# Altium PCB VCU_LAYOUT.PcbDoc (part 1 of 3) (continued)
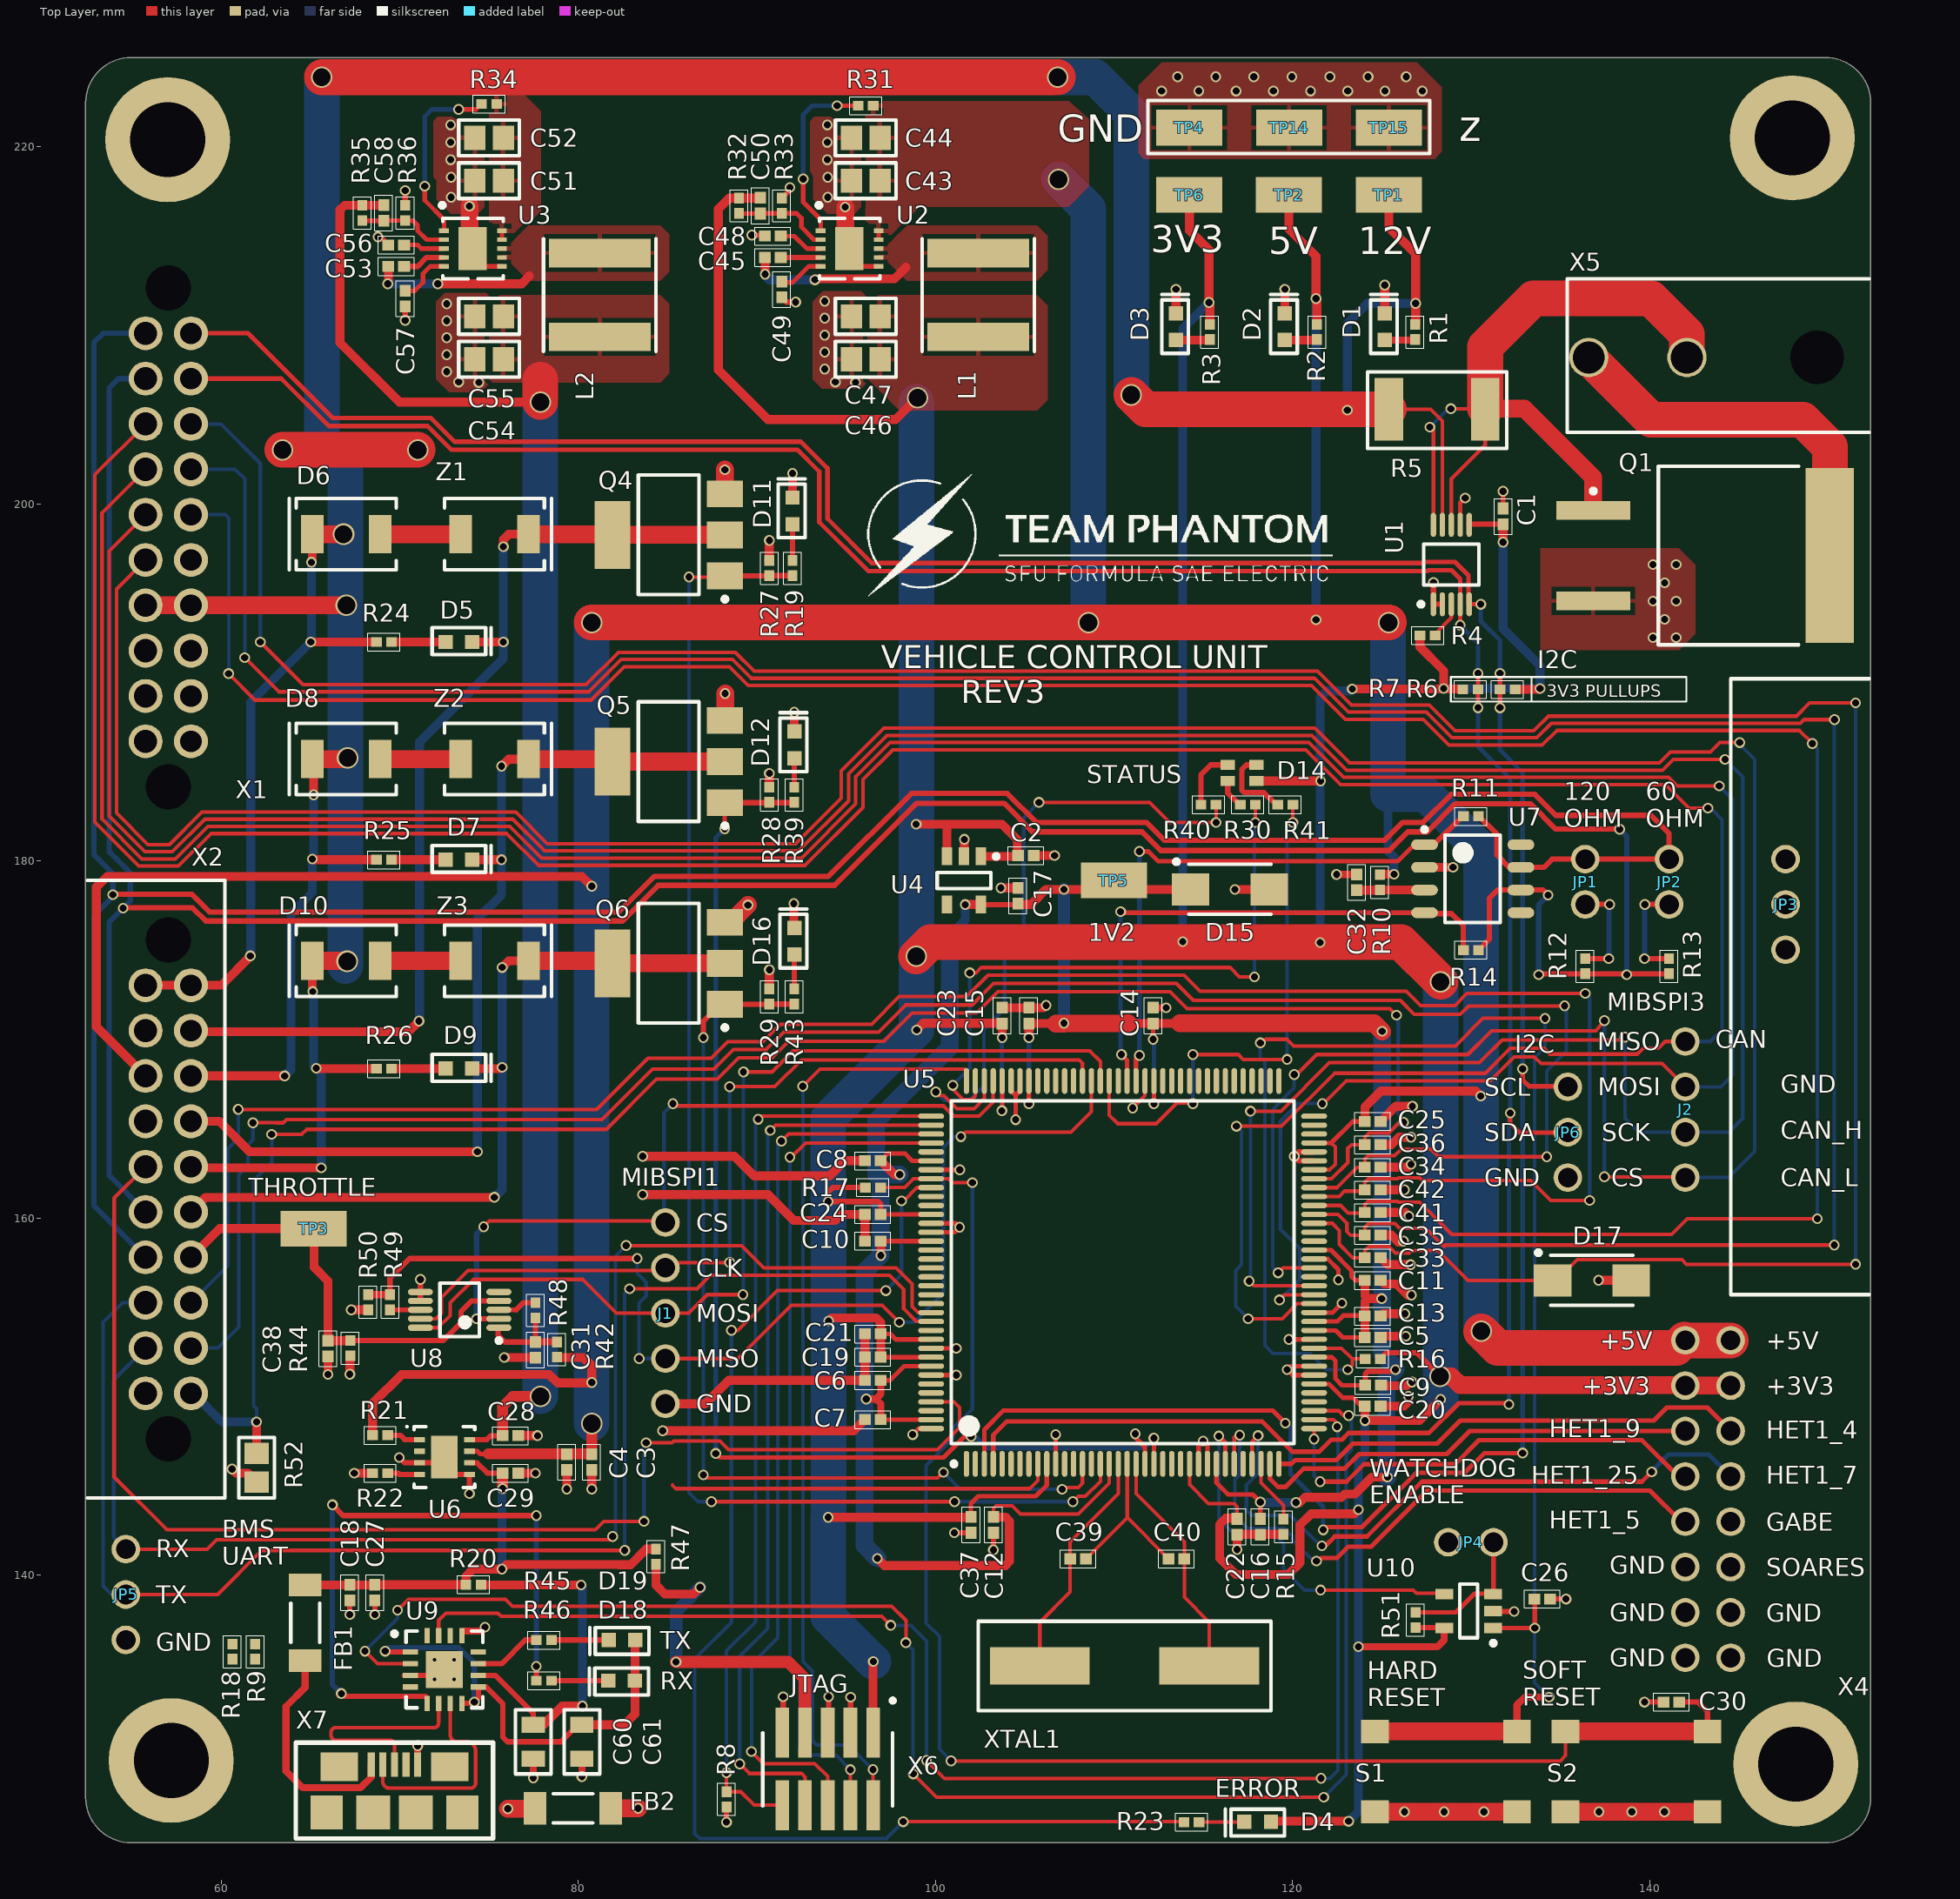
[diagram p0: Top Layer view]
## Components (designator, comment, footprint, x,y, rotation, side; value= is the part's Value field where it differs from the comment) (continued)
XTAL1 "ABLS2-16.000MHZ-D4Y-T" XTAL 110.6,134.9 r0 top
Z1 "12V" DO-214AA_Diode 75.3,198.3 r0 top
Z2 "12V" DO-214AA_Diode 75.3,185.7 r0 top
Z3 "12V" DO-214AA_Diode 75.3,174.4 r0 top

## Footprints (in the part's own frame and the unit in brackets; to place one, negate y for a bottom-side part, rotate by r counter-clockwise, add the part's x,y. Pads: shape width x height; smd on the part's side, far side on the other; paste and mask are expansions set on the pad)
2PIN_HEADER [mm]
  round 1.6 hole 1.1: 1(0,0) 2(2.54,0)
  body extent -1.27,-1.27 3.81,1.27, height 9.5
3PIN_HEADER [mm]
  round 1.6 hole 1.1: 1(-2.54,0) 2(0,0) 3(2.54,0)
  body extent -3.81,-1.27 3.81,1.27, height 9.5
4PIN_HEADER [mm]
  round 1.6 hole 1.1: 1(0,0) 2(2.54,0) 3(5.08,0) 4(7.62,0)
  body extent -1.27,-1.27 8.89,1.27, height 9.5
5PIN_HEADER [mm]
  round 1.6 hole 1.1: 1(0,0) 2(2.54,0) 3(5.08,0) 4(7.62,0) 5(10.16,0)
  body extent -1.27,-1.27 11.43,1.27, height 9.5
8-SOIC_MCP2561 [mm] "SOIC, 8-Leads, Body 4.90x3.90mm, Pitch 1.27mm, IPC Medium Density"
  oval 1.5x0.6 smd: 1(-2.7,1.905) 2(-2.7,0.635) 3(-2.7,-0.635) 4(-2.7,-1.905) 5(2.7,-1.905) 6(2.7,-0.635) 7(2.7,0.635) 8(2.7,1.905)
  silkscreen extent -2.82,-2.45 1.55,2.88, body extent -3,-2.45 3,2.45, height 1.75
10-VSSOP_INA226 [mm] "TSSOP, 10-Leads, Body 3.00x3.00mm, Pitch 0.50mm, IPC Medium Density"
  oval 1.35x0.3 smd: 1(-2.225,1) 2(-2.225,0.5) 3(-2.225,0) 4(-2.225,-0.5) 5(-2.225,-1) 6(2.225,-1) 7(2.225,-0.5) 8(2.225,0) 9(2.225,0.5) 10(2.225,1)
  silkscreen extent -2.35,-1.55 1.15,1.82, body extent -2.45,-1.55 2.45,1.55, height 1.1
16PIN_HEADER [mm]
  round 1.6 hole 1.1: 1(0,0) 2(2.54,0) 3(5.08,0) 4(7.62,0) 5(10.16,0) 6(12.7,0) 7(15.24,0) 8(17.78,0) 9(0,2.54) 10(2.54,2.54) 11(5.08,2.54) 12(7.62,2.54) 13(10.16,2.54) 14(12.7,2.54) 15(15.24,2.54) 16(17.78,2.54)
  body extent -1.27,-1.27 19.05,3.81, height 9.5
C0402 [mm] "Chip Capacitor, 2-Leads, Body 1.00x0.50mm, IPC Medium Density"
  rect 0.66x0.62 smd: 1(-0.44,0) 2(0.44,0)
  silkscreen extent -1,-0.5 1,0.5, body extent -0.53,-0.28 0.53,0.28, height 0.55
C0805 [mm]
  rect 0.9x1.3 smd: 1(-0.95,0) 2(0.95,0)
  silkscreen extent -1.8,-1 1.8,1
D2PAK_FETs [mm] "D2-PAK, 3-Pads, Body 7.65x8.36mm (max), IPC Medium Density"
  rect 4.15x1.05 smd: 1(-6.25,2.54) 3(-6.25,-2.54)
  rect 2.7x9.8 smd: 4(7,0)
  silkscreen extent -6.37,-5 5.25,5, body extent -7.1,-5 8.14,5, height 4.83
DFN-10 [mm] "QFN, 10-Leads, Body 3.00x3.00mm, Pitch 0.50mm, Thermal Pad 2.40x1.60mm, IPC Medium Density"
  rect 0.25x0.55 smd: 1(-1,-1.625) 2(-0.5,-1.625) 3(0,-1.625) 4(0.5,-1.625) 5(1,-1.625) 6(1,1.625) 7(0.5,1.625) 8(0,1.625) 9(-0.5,1.625) 10(-1,1.625)
  rect 2.4x1.6 smd: 11(0,-0.025)
  silkscreen extent -2.55,-1.85 1.7,1.7, body extent -1.55,-1.6 1.55,1.6, height 0.63
DIODE_TVS [mm] "Molded Diode, 2-Leads, Body 4.29x2.59mm, IPC Medium Density"
  rect 2.1x1.8 smd: 1(-2.2,0) 2(2.2,0)
  silkscreen extent -3.12,-1.4 2.3,1.67, body extent -2.52,-1.4 2.52,1.4, height 2.29
DO-214AA_Diode [mm] "Molded Diode, 2-Leads, Body 5.33x3.62mm, IPC Medium Density"
  rect 1.27x2.15 smd: 1(-1.9,0) 2(1.9,0)
  silkscreen extent -2.8,-2 3.2,2, body extent -3.02,-1.97 3.02,1.97, height 2.62
FB_1806 [mm] "Chip Inductor, 2-Leads, Body 4.50x1.60mm, IPC Medium Density"
  rect 1.27x1.82 smd: 1(-2.12,0) 2(2.12,0)
  silkscreen extent -1.1,-0.81 1.1,0.81, body extent -2.4,-0.9 2.4,0.9, height 1.3
IND-6mm [mm] "Precision Wire Wound Inductor, 2-Leads, Body 6.00x6.00mm, IPC Medium Density"
  rect 1.6x5.7 smd: 1(-2.35,0) 2(2.35,0)
  silkscreen extent -3.15,-3.15 3.15,3.15, body extent -3.1,-3 3.1,3, height 4.6
JTAG_50mil_10pin [mil]
  rect 30x110 smd: 1(0,0) 2(0,-159.84) 3(-50,0) 4(-50,-159.84) 5(-100,0) 6(-100,-159.84) 7(-150,0) 8(-150,-159.84) 9(-200,0) 10(-200,-159.84)
  silkscreen extent -243,-161 47,75, body extent -223,-194 27,36, height 241
LED_0603 [mm]
  rect 0.8x0.8 smd: 1(-0.75,0) 2(0.75,0)
  silkscreen extent -1.5,-0.7 1.8,0.8
LED_TRICOLOR [mm]
  rect 0.8x0.55 smd: 1(-0.178,0.762) 2(-0.178,-0.138) 3(-1.778,-0.138) 4(-1.778,0.762)
LQFP-144 [mm] "TSQFP, 144-Leads, Body 20.00x20.00mm, Pitch 0.50mm, IPC Medium Density"
  oval 1.45x0.3 smd: 1(-10.725,8.75) 2(-10.725,8.25) 3(-10.725,7.75) 4(-10.725,7.25) 5(-10.725,6.75) 6(-10.725,6.25) 7(-10.725,5.75) 8(-10.725,5.25) 9(-10.725,4.75) 10(-10.725,4.25) 11(-10.725,3.75) 12(-10.725,3.25) 13(-10.725,2.75) 14(-10.725,2.25) 15(-10.725,1.75) 16(-10.725,1.25) 17(-10.725,0.75) 18(-10.725,0.25) 19(-10.725,-0.25) 20(-10.725,-0.75) 21(-10.725,-1.25) 22(-10.725,-1.75) 23(-10.725,-2.25) 24(-10.725,-2.75) 25(-10.725,-3.25) 26(-10.725,-3.75) 27(-10.725,-4.25) 28(-10.725,-4.75) 29(-10.725,-5.25) 30(-10.725,-5.75) 31(-10.725,-6.25) 32(-10.725,-6.75) 33(-10.725,-7.25) 34(-10.725,-7.75) 35(-10.725,-8.25) 36(-10.725,-8.75) 73(10.725,-8.75) 74(10.725,-8.25) 75(10.725,-7.75) 76(10.725,-7.25) 77(10.725,-6.75) 78(10.725,-6.25) 79(10.725,-5.75) 80(10.725,-5.25) 81(10.725,-4.75) 82(10.725,-4.25) 83(10.725,-3.75) 84(10.725,-3.25) 85(10.725,-2.75) 86(10.725,-2.25) 87(10.725,-1.75) 88(10.725,-1.25) 89(10.725,-0.75) 90(10.725,-0.25) 91(10.725,0.25) 92(10.725,0.75) 93(10.725,1.25) 94(10.725,1.75) 95(10.725,2.25) 96(10.725,2.75) 97(10.725,3.25) 98(10.725,3.75) 99(10.725,4.25) 100(10.725,4.75) 101(10.725,5.25) 102(10.725,5.75) 103(10.725,6.25) 104(10.725,6.75) 105(10.725,7.25) 106(10.725,7.75) 107(10.725,8.25) 108(10.725,8.75)
  oval 0.3x1.45 smd: 37(-8.75,-10.725) 38(-8.25,-10.725) 39(-7.75,-10.725) 40(-7.25,-10.725) 41(-6.75,-10.725) 42(-6.25,-10.725) 43(-5.75,-10.725) 44(-5.25,-10.725) 45(-4.75,-10.725) 46(-4.25,-10.725) 47(-3.75,-10.725) 48(-3.25,-10.725) 49(-2.75,-10.725) 50(-2.25,-10.725) 51(-1.75,-10.725) 52(-1.25,-10.725) 53(-0.75,-10.725) 54(-0.25,-10.725) 55(0.25,-10.725) 56(0.75,-10.725) 57(1.25,-10.725) 58(1.75,-10.725) 59(2.25,-10.725) 60(2.75,-10.725) 61(3.25,-10.725) 62(3.75,-10.725) 63(4.25,-10.725) 64(4.75,-10.725) 65(5.25,-10.725) 66(5.75,-10.725) 67(6.25,-10.725) 68(6.75,-10.725) 69(7.25,-10.725) 70(7.75,-10.725) 71(8.25,-10.725) 72(8.75,-10.725) 109(8.75,10.725) 110(8.25,10.725) 111(7.75,10.725) 112(7.25,10.725) 113(6.75,10.725) 114(6.25,10.725) 115(5.75,10.725) 116(5.25,10.725) 117(4.75,10.725) 118(4.25,10.725) 119(3.75,10.725) 120(3.25,10.725) 121(2.75,10.725) 122(2.25,10.725) 123(1.75,10.725) 124(1.25,10.725) 125(0.75,10.725) 126(0.25,10.725) 127(-0.25,10.725) 128(-0.75,10.725) 129(-1.25,10.725) 130(-1.75,10.725) 131(-2.25,10.725) 132(-2.75,10.725) 133(-3.25,10.725) 134(-3.75,10.725) 135(-4.25,10.725) 136(-4.75,10.725) 137(-5.25,10.725) 138(-5.75,10.725) 139(-6.25,10.725) 140(-6.75,10.725) 141(-7.25,10.725) 142(-7.75,10.725) 143(-8.25,10.725) 144(-8.75,10.725)
  silkscreen extent -10.85,-9.6 9.6,9.6, body extent -10.9,-11 11.1,11, height 1.45
MOLEX_2PIN_MEGAFIT [mm]
  round 2.2 hole 1.8: 1(0,7.3) 2(0,12.8)
  round 0 hole 3: ""(0,0)
  body extent -4.1,-8.58 4.25,13.38, height 14.75
MOLEX_20pin [mm]
  round 1.9 hole 1.2: 1(-11.43,23.9) 2(-8.89,23.9) 3(-6.35,23.9) 4(-3.81,23.9) 5(-1.27,23.9) 6(1.27,23.9) 7(3.81,23.9) 8(6.35,23.9) 9(8.89,23.9) 10(11.43,23.9)
  round 1.9 hole 1.3: 11(-11.43,21.36) 12(-8.89,21.36) 13(-6.35,21.36) 14(-3.81,21.36) 15(-1.27,21.36) 16(1.27,21.36) 17(3.81,21.36) 18(6.35,21.36) 19(8.89,21.36) 20(11.43,21.36)
  round 0 hole 2.54: ""(-13.97,22.63) ""(13.97,22.63)
  body extent -17.05,-9.26 17.05,25.6, height 21.16
MSSOP-10 [mm]
  oval 1.4x0.35 smd: 1(-2.2,1) 2(-2.2,0.5) 3(-2.2,0) 4(-2.2,-0.5) 5(-2.2,-1) 6(2.2,-1) 7(2.2,-0.5) 8(2.2,0) 9(2.2,0.5) 10(2.2,1)
  silkscreen extent -2.33,-1.5 1.1,1.85, body extent -2.45,-1.5 2.45,1.5, height 1.1
PUSH_BUTTON [mm]
  rect 1.55x1.3 smd: 1(-3.975,2.25) 1(3.975,2.25) 2(-3.975,-2.25) 2(3.975,-2.25)
  body extent -4.5,-3 4.5,3, height 4.3
QFN16-EP [mm] "QFN, 16-Leads, Body 4.00x4.00mm, Pitch 0.65mm, Thermal Pad 2.08x2.08mm, IPC Medium Density"
  rect 0.85x0.3 smd: 1(-1.9,0.975) 2(-1.9,0.325) 3(-1.9,-0.325) 4(-1.9,-0.975) 9(1.9,-0.975) 10(1.9,-0.325) 11(1.9,0.325) 12(1.9,0.975)
  rect 0.3x0.85 smd: 5(-0.975,-1.9) 6(-0.325,-1.9) 7(0.325,-1.9) 8(0.975,-1.9) 13(0.975,1.9) 14(0.325,1.9) 15(-0.325,1.9) 16(-0.975,1.9)
  rect 2.08x2.08 smd: 17(0,0)
  silkscreen extent -2.92,-2.15 2.15,2.15, body extent -2.05,-2.05 2.05,2.05, height 0.8
R0402 [mm] "Chip Resistor, 2-Leads, Body 1.00x0.50mm, IPC Medium Density"
  rect 0.6x0.55 smd: 1(-0.425,0) 2(0.425,0)
  silkscreen extent -0.9,-0.5 0.9,0.5, body extent -0.53,-0.28 0.53,0.28, height 0.4
R0805-3D [mm] "Chip Resistor, 2-Leads, Body 2.00x1.25mm, IPC Medium Density"
  rect 1.2x1.35 smd: 1(-0.8,0) 2(0.8,0)
  silkscreen extent -1.7,-1 1.7,1, body extent -1.05,-0.67 1.05,0.67, height 0.9
R2512 [mm]
  rect 1.6x3.5 smd: 1(-2.7,0) 2(2.7,0)
  silkscreen extent -3.9,-2.1 3.9,2.2
SOT23-5-MIC5504 [mm] "SOT23, 5-Leads, Body 2.90x2.80mm, Pitch 0.95mm, IPC Medium Density"
  rect 1x0.6 smd: 1(-1.35,0.95) 2(-1.35,0) 3(-1.35,-0.95) 4(1.35,-0.95) 5(1.35,0.95)
  silkscreen extent -1.47,-1.5 0.45,1.93, body extent -1.5,-1.5 1.5,1.5, height 1.45
SOT23-5-WATCHDOG [mm] "SOT23, 5-Leads, Body 2.90x2.80mm, Pitch 0.95mm, IPC Medium Density"
  rect 1x0.6 smd: 1(-1.375,0.95) 2(-1.375,0) 3(-1.375,-0.95) 4(1.375,-0.95) 5(1.375,0.95)
  silkscreen extent -1.5,-1.5 0.5,1.92, body extent -1.6,-1.5 1.6,1.5, height 1.45
SOT-223_NFET [mm] "SOT223, 4-Leads, Body 6.50x7.00mm (avg), Pitch 2.30mm, IPC Medium Density"
  rect 2x1.5 smd: 1(-3.15,2.3) 2(-3.15,0) 3(-3.15,-2.3)
  rect 2x3.8 smd: 4(3.15,0)
  silkscreen extent -3.27,-3.35 1.7,3.72, body extent -1.85,-3.35 1.85,3.35, height 1.63
TP_HOOK [mm]
  rect 3.7x2 smd: 1(0,0)
  body extent -1.56,-0.51 1.56,0.51, height 1.52
USB_MICRO [mm]
  rect 0.4x1.35 smd: 1(-1.3,0) 3(0,0) 4(0.65,0) 5(1.3,0)
  rect 0.4x1.355 smd: 2(-0.65,0)
  rect 1.8x1.9 smd: ""(-3.8,-2.675) ""(3.8,-2.675)
  rect 2.1x1.6 smd: ""(-3.1,-0.125) ""(3.1,-0.125)
  rect 1.9x1.9 smd: ""(-1.2,-2.675) ""(1.2,-2.675)
  silkscreen extent -5.53,-4.15 5.52,1.22, body extent -3.96,-5.31 3.96,0.35, height 2.74
VSON-8 [mm] "SON, 8-Leads, Body 3.00x3.00mm, Pitch 0.65mm, Thermal Pad 2.40x1.49mm, IPC Medium Density"
  rect 0.6x0.3 smd: 1(-1.4,0.975) 2(-1.4,0.325) 3(-1.4,-0.325) 4(-1.4,-0.975) 5(1.4,-0.975) 6(1.4,-0.325) 7(1.4,0.325) 8(1.4,0.975)
  rect 1.49x2.4 smd: 9(0,0)
  silkscreen extent -2.15,-1.7 1.7,1.75, body extent -1.6,-1.55 1.6,1.55, height 1
XTAL [mm]
  rect 5.6x2.1 smd: 1(-4.75,0) 2(4.75,0)
  silkscreen extent -8.2,-2.5 8.2,2.5, body extent -6.35,-2.35 6.35,2.35, height 3.16

## Part data
C1 C4 C5 C6 C7 C8 C9 C10 C11 C12 C13 C14 C15 C16 C19 C20 C21 C22 C23 C24 C25 C26 C27 C28 C29 C30 C31 C32 C33 C34 C35 C36 C37 C38 C41 C42: library part CL05A104MP5NNNC, "CAP MLCC 0.1uF 10V X5R 0402 20% SMD 0402 85C Paper T/R", Case/Package=0402, Case Code (Metric)=1005, Dielectric=X5R, Manufacturer=Samsung, Max Operating Temperature=85°C, Min Operating Temperature=-55°C, Supplier Part Number 1=1276-1443-1-ND, Tolerance=20%, Voltage Rating=10V, Capacitance=100nF, Case Code (Imperial)=0402, ComponentLink1Description=https://media.digikey.com/pdf/Data%20Sheets/Samsung%20PDFs/CL_Series_MLCC_ds.pdf, ComponentLink1URL=https://media.digikey.com/pdf/Data%20Sheets/Samsung%20PDFs/CL_Series_MLCC_ds.pdf, Depth=0.5mm, Height=0.5mm, Lead Free="Lead Free", Length=1mm, Manufacturer Part Number=CL05A104MP5NNNC, Mount="Surface Mount", Packaging="Tape and Reel", Pricing 1="1=0.1, 10=0.024, 100=0.0106, 500=0.0076, 1000=0.006, 2500=0.0054, 5000=0.005 (USD)", Radiation Hardening=No, Stock 1=100000, Supplier 1=Digi-Key, Thickness=0.022inch, Voltage Rating (DC)=10V, Width=0.02inch
C2 C3 C17 C18 C48 C56: library part CL05A105MP5NNNC, "CAP MLCC 1uF 10V 0402 X5R 20% SMD 0402 85C Paper T/R", Case/Package=0402, Case Code (Metric)=1005, Dielectric=X5R, Manufacturer=Samsung, Max Operating Temperature=85°C, Min Operating Temperature=-55°C, Package Quantity=1, Supplier Part Number 1=1276-1448-1-ND, Tolerance=20%, Voltage Rating=10V, Capacitance=1uF, Case Code (Imperial)=0402, ComponentLink1Description=https://media.digikey.com/pdf/Data%20Sheets/Samsung%20PDFs/CL_Series_MLCC_ds.pdf, ComponentLink1URL=https://media.digikey.com/pdf/Data%20Sheets/Samsung%20PDFs/CL_Series_MLCC_ds.pdf, Depth=0.5mm, Height=0.5mm, Lead Free="Lead Free", Length=1mm, Manufacturer Part Number=CL05A105MP5NNNC, Mount="Surface Mount", Packaging="Tape and Reel", Pricing 1="1=0.1, 10=0.031, 100=0.014, 500=0.01, 1000=0.0079, 2500=0.0072, 5000=0.0066 (USD)", Radiation Hardening=No, Stock 1=100000, Supplier 1=Digi-Key, Thickness=0.022inch, Voltage Rating (DC)=10V, Width=0.02inch
C39 C40: library part 885012005010, "CAP MLCC 33pF 10V C0G, NP0 0402 (1005 Metric) 0.039\" L x 0.020\" W (1.00mm x 0.50mm)", Case/Package=0402, Case Code (Metric)=1005, Manufacturer="Wurth Electronics", Max Operating Temperature=125°C, Min Operating Temperature=-55°C, Supplier Part Number 1=732-7428-1-ND, Tolerance=5%, Capacitance=33pF, Case Code (Imperial)=0402, Length=0.039inch, Manufacturer Part Number=885012005010, Mount="Surface Mount", Packaging="Tape and Reel", Pricing 1="1=0.1, 10=0.015, 100=0.0132, 500=0.0116 (USD)", Stock 1=4748, Supplier 1=Digi-Key, Thickness=0.022inch, Width=0.02inch
C43 C44 C51 C52: library part TMK212BBJ106KG-T, "CAP MLCC 10uF 25V X5R 0805", Case/Package=0805, Case Code (Metric)=2012, Dielectric=X7R, Manufacturer="Taiyo Yuden", Max Operating Temperature=85°C, Min Operating Temperature=-55°C, Package Quantity=1, Supplier Part Number 1=587-2985-1-ND, Tolerance=10%, Voltage=16V, Voltage Rating=25V, Capacitance=10uF, Case Code (Imperial)=0805, ComponentLink1Description=https://www.yuden.co.jp/productdata/catalog/mlcc_all_e.pdf, ComponentLink1URL=https://www.yuden.co.jp/productdata/catalog/mlcc_all_e.pdf, ComponentLink2Description=http://www.farnell.com/datasheets/1481447.pdf, ComponentLink2URL=http://www.farnell.com/datasheets/1481447.pdf, Composition=Ceramic, Height=1.25mm, Lead Free="Lead Free", Length=0.079inch, Manufacturer Part Number=TMK212BBJ106KG-T, Mount="Surface Mount", Number of Pins=2, Packaging="Tape and Reel", Pricing 1="1=0.21, 10=0.144, 100=0.0729, 500=0.0499, 1000=0.0441 (USD)", REACH SVHC="No SVHC", Stock 1=3000, Supplier 1=Digi-Key, Termination=SMD/SMT, Thickness=0.053inch, Voltage Rating (DC)=25V, Width=0.049inch
C45 C53: library part CC0402ZRY5V8BB104, "CAP MLCC 0.1uF 25V Y5V 0402", Case/Package=0402, Case Code (Metric)=1005, Dielectric=Y5V, Insulation Resistance=10GR, Manufacturer=Yageo, Max Operating Temperature=85°C, Min Operating Temperature=-30°C, Package Quantity=1, Supplier Part Number 1=311-1375-1-ND, Tolerance=80%, Voltage Rating=25V, Capacitance=100nF, Case Code (Imperial)=0402, ComponentLink1Description=http://www.yageo.com/documents/recent/UPY-GPHC_Y5V_6.3V-to-50V_8.pdf, ComponentLink1URL=http://www.yageo.com/documents/recent/UPY-GPHC_Y5V_6.3V-to-50V_8.pdf, ComponentLink2Description=http://www.farnell.com/datasheets/1132289.pdf, ComponentLink2URL=http://www.farnell.com/datasheets/1132289.pdf, ComponentLink3Description=http://www.yageo.com/documents/recent/UPY-GPHC_Y5V_6.3V-to-50V_5.pdf, ComponentLink3URL=http://www.yageo.com/documents/recent/UPY-GPHC_Y5V_6.3V-to-50V_5.pdf, Composition=Ceramic, Depth=0.5mm, Dissipation Factor=12.5%, Halogen Free="Halogen Free", Height=0.5mm, Lead Free="Lead Free", Length=1mm, Manufacturer Part Number=CC0402ZRY5V8BB104, Mount="Surface Mount", Number of Pins=2, Packaging="Tape and Reel", Pricing 1="1=0.1, 10=0.031, 100=0.0136, 500=0.0097, 1000=0.0077, 2500=0.007, 5000=0.0064 (USD)", Radiation Hardening=No, REACH SVHC=Unknown, Stock 1=100000, Supplier 1=Digi-Key, Termination=SMD/SMT, Thickness=0.022inch, Voltage Rating (DC)=25V, Weight=2.3E-05oz, Width=0.02inch
C46 C47 C54 C55: library part GRM21BR61A226ME51L, "CAP MLCC 22uF 10V 0805 X5R 20% SMD 0805 85C Embossed T/R", Case/Package=0805, Case Code (Metric)=2012, Dielectric=X5R, Manufacturer=Murata, Max Operating Temperature=85°C, Min Operating Temperature=-55°C, Package Quantity=3000, Supplier Part Number 1=490-10511-1-ND, Tolerance=20%, Voltage Rating=10V, Capacitance=22uF, Case Code (Imperial)=0805, Depth=1.25mm, Height=1.25mm, Lead Free="Lead Free", Length=2mm, Manufacturer Part Number=GRM21BR61A226ME51L, Mount="Surface Mount", Packaging="Tape and Reel", Pricing 1="1=0.35, 10=0.239, 100=0.1353, 500=0.0955, 1000=0.0836 (USD)", Radiation Hardening=No, REACH SVHC="No SVHC", Stock 1=30000, Supplier 1=Digi-Key, Termination=SMD/SMT, Thickness=0.055inch, Voltage Rating (DC)=10V, Weight=0.000335oz, Width=0.049inch
C49 C57: library part GRM155R61A103KA01D, "CAP MLCC 10nF 10V 0402 5R 10% SMD 0402 85C T/R", Case/Package=0402, Case Code (Metric)=1005, Dielectric=X5R, Manufacturer=Murata, Max Operating Temperature=85°C, Min Operating Temperature=-55°C, Package Quantity=10000, Supplier Part Number 1=490-6296-1-ND, Tolerance=10%, Voltage Rating=10V, Capacitance=10nF, Case Code (Imperial)=0402, ComponentLink1Description=https://www.murata.com/~/media/webrenewal/support/library/catalog/products/capacitor/mlcc/c02e.ashx?la=en-us, ComponentLink1URL=https://www.murata.com/~/media/webrenewal/support/library/catalog/products/capacitor/mlcc/c02e.ashx?la=en-us, ComponentLink2Description=https://www.verical.com/server-webapp/html/getDatasheet?partID=330538, ComponentLink2URL=https://www.verical.com/server-webapp/html/getDatasheet?partID=330538, ComponentLink3Description=http://psearch.murata.com/capacitor/product/GRM155R61A103KA01%23.pdf, ComponentLink3URL=http://psearch.murata.com/capacitor/product/GRM155R61A103KA01%23.pdf, Depth=0.5mm, Height=0.5mm, Lead Free="Lead Free", Length=1mm, Manufacturer Part Number=GRM155R61A103KA01D, Mount="Surface Mount", Packaging="Tape and Reel", Pricing 1="1=0.1, 10=0.029, 100=0.013, 500=0.0093, 1000=0.0073, 2500=0.0066, 5000=0.0061 (USD)", Radiation Hardening=No, Stock 1=100000, Supplier 1=Digi-Key, Termination=SMD/SMT, Thickness=0.022inch, Voltage Rating (DC)=10V, Width=0.02inch
C50 C58: library part 885012005007, "CAP MLCC 10pF 10V 0402 C0G, NP0 0402 (1005 Metric) 0.039\" L x 0.020\" W (1.00mm x 0.50mm)", Case/Package=0402, Case Code (Metric)=1005, Manufacturer="Wurth Electronics", Max Operating Temperature=125°C, Min Operating Temperature=-55°C, Supplier Part Number 1=732-7425-1-ND, Tolerance=5%, Voltage Rating=10V, Capacitance=10pF, Case Code (Imperial)=0402, Length=0.039inch, Manufacturer Part Number=885012005007, Mount="Surface Mount", Packaging="Tape and Reel", Pricing 1="1=0.1, 10=0.018, 100=0.0159, 500=0.0141 (USD)", Stock 1=20214, Supplier 1=Digi-Key, Thickness=0.022inch, Width=0.02inch
C60 C61: library part CL21A106KOQNNNE, "CAP CER 10uF 16V X5R 10% SMD 0805 85C T/R", Case/Package=0805, Case Code (Metric)=2012, Dielectric=X7R, Manufacturer=Samsung, Max Operating Temperature=85°C, Min Operating Temperature=-55°C, Package Quantity=1, Supplier Part Number 1=1276-1096-1-ND, Tolerance=10%, Voltage=16V, Capacitance=10uF, Case Code (Imperial)=0805, ComponentLink1Description=https://datasheet.ciiva.com/25798/cl21a106koqnnne-25798133.pdf, ComponentLink1URL=https://datasheet.ciiva.com/25798/cl21a106koqnnne-25798133.pdf, ComponentLink2Description=https://datasheet.ciiva.com/16740/cl05b104kq5nnnc-16740697.pdf, ComponentLink2URL=https://datasheet.ciiva.com/16740/cl05b104kq5nnnc-16740697.pdf, ComponentLink3Description=https://datasheet.ciiva.com/15216/getdatasheetpartid-358435-15216234.pdf, ComponentLink3URL=https://datasheet.ciiva.com/15216/getdatasheetpartid-358435-15216234.pdf, Depth=1.25mm, Height=1.25mm, Lead Free="Lead Free", Length=2mm, Manufacturer Part Number=CL21A106KOQNNNE, Mount="Surface Mount", Packaging="Tape and Reel", Pricing 1="1=0.21, 10=0.148, 100=0.0698, 500=0.0489, 1000=0.0405 (USD)", Radiation Hardening=No, Stock 1=20000, Supplier 1=Digi-Key, Thickness=0.055inch, Voltage Rating=16V, Voltage Rating (DC)=16V, Width=0.049inch
D1 D2 D3 D18 D19: library part 150060VS75000, "LED GREEN CLEAR 0603 SMD  LED, 0603, B GREEN,  40MCD, 570NM", Case/Package=0603, Case Code (Metric)=1608, Forward Current=30mA, Forward Voltage=2V, Manufacturer="Wurth Electronics", Max Operating Temperature=85°C, Min Operating Temperature=-40°C, Package Quantity=1, Supplier Part Number 1=732-4980-1-ND, Test Current=20mA, Case Code (Imperial)=0603, Color=Green, ComponentLink1Description=http://www.farnell.com/datasheets/1911347.pdf, ComponentLink1URL=http://www.farnell.com/datasheets/1911347.pdf, ComponentLink2Description=https://katalog.we-online.de/led/datasheet/150060VS75000.pdf, ComponentLink2URL=https://katalog.we-online.de/led/datasheet/150060VS75000.pdf, ComponentLink3Description=https://www.distrelec.biz/Web/Downloads/_t/ds/150060VS75000_eng_tds.pdf?mime=application%2Fpdf, ComponentLink3URL=https://www.distrelec.biz/Web/Downloads/_t/ds/150060VS75000_eng_tds.pdf?mime=application%2Fpdf, ComponentLink4Description=http://www.produktinfo.conrad.com/datenblaetter/750000-774999/759431-da-01-en-CHIPLED_0603_W_KL_H_GRUEN_150060VS7500.pdf, ComponentLink4URL=http://www.produktinfo.conrad.com/datenblaetter/750000-774999/759431-da-01-en-CHIPLED_0603_W_KL_H_GRUEN_150060VS7500.pdf, Dominant Wavelength=570nm, Height=0.7mm, Length=1.6mm, Lens Style=Clear,Rectangular, Luminous Intensity=40mcd, Manufacturer Part Number=150060VS75000, Mount="Surface Mount", Number of Pins=2, Packaging="Tape and Reel", Pricing 1="1=0.14, 50=0.129, 100=0.11, 500=0.095 (USD)", REACH SVHC=Unknown, Stock 1=207370, Supplier 1=Digi-Key, Viewing Angle=140°, Wavelength=570nm, Width=0.8mm
D4: library part 150060RS75000, "LED RED CLEAR 0603 SMD 625 nm, 2 V, 30 mA, 250 mcd", Case/Package=0603, Case Code (Metric)=1608, Forward Current=30mA, Forward Voltage=2V, Manufacturer="Wurth Electronics", Max Operating Temperature=85°C, Min Operating Temperature=-40°C, Package Quantity=1, Supplier Part Number 1=732-4978-1-ND, Test Current=20mA, Case Code (Imperial)=0603, Color=Red, ComponentLink1Description=https://katalog.we-online.de/led/datasheet/150060RS75000.pdf, ComponentLink1URL=https://katalog.we-online.de/led/datasheet/150060RS75000.pdf, ComponentLink2Description=http://www.produktinfo.conrad.com/datenblaetter/750000-774999/759428-da-01-en-CHIPLED_0603_W_KL_ROT_150060RS75000.pdf, ComponentLink2URL=http://www.produktinfo.conrad.com/datenblaetter/750000-774999/759428-da-01-en-CHIPLED_0603_W_KL_ROT_150060RS75000.pdf, Dominant Wavelength=625nm, Height=0.7mm, Length=1.6mm, Lens Style=Clear,Rectangular, Luminous Intensity=250mcd, Manufacturer Part Number=150060RS75000, Mount="Surface Mount", Packaging="Cut Tape", Pricing 1="1=0.14, 50=0.129, 100=0.11, 500=0.095 (USD)", REACH SVHC=Unknown, Stock 1=273101, Supplier 1=Digi-Key, Viewing Angle=140°, Wavelength=625nm, Width=0.8mm
D5 D7 D9 D11 D12 D16: library part 150060BS75000, "LED BLUE CLEAR 0603 SMD 3.2V 145MCD, 470NM", Case/Package=0603, Case Code (Metric)=1608, Forward Current=30mA, Forward Voltage=3.2V, Manufacturer="Wurth Electronics", Max Operating Temperature=85°C, Min Operating Temperature=-40°C, Package Quantity=4000, Supplier Part Number 1=732-4966-1-ND, Test Current=20mA, Case Code (Imperial)=0603, Color=Blue, ComponentLink1Description=https://www.distrelec.biz/Web/Downloads/_t/ds/150060BS75000_eng_tds.pdf?mime=application%2Fpdf, ComponentLink1URL=https://www.distrelec.biz/Web/Downloads/_t/ds/150060BS75000_eng_tds.pdf?mime=application%2Fpdf, ComponentLink2Description=https://katalog.we-online.de/led/datasheet/150060BS75000.pdf, ComponentLink2URL=https://katalog.we-online.de/led/datasheet/150060BS75000.pdf, ComponentLink3Description=http://www.farnell.com/datasheets/1911343.pdf, ComponentLink3URL=http://www.farnell.com/datasheets/1911343.pdf, ComponentLink4Description=http://www.produktinfo.conrad.com/datenblaetter/750000-774999/759426-da-01-en-CHIPLED_0603_W_KL_BLAU_150060BS75000.pdf, ComponentLink4URL=http://www.produktinfo.conrad.com/datenblaetter/750000-774999/759426-da-01-en-CHIPLED_0603_W_KL_BLAU_150060BS75000.pdf, Dominant Wavelength=470nm, Height=0.7mm, Length=1.6mm, Lens Style=Clear,Rectangular, Luminous Intensity=145mcd, Manufacturer Part Number=150060BS75000, Mount="Surface Mount", Packaging="Cut Tape", Pricing 1="1=0.15, 50=0.141, 100=0.121, 500=0.104 (USD)", REACH SVHC=Unknown, Stock 1=59667, Supplier 1=Digi-Key, Viewing Angle=140°, Wavelength=470nm, Width=0.8mm
D6 D8 D10: "DIODE GEN PURP 100V 3A DO214AA", Average Rectified Current=3A, Forward Voltage=1.15V, Manufacturer=MCC, Max Repetitive Reverse Voltage (Vrrm)=100V, Max Surge Current=100A, Package Quantity=1, Peak Reverse Current=10uA, Supplier Part Number 1=S3BB-TPMSCT-ND, ComponentLink1Description=https://datasheet.ciiva.com/914/s3ab-s3mbsmb-914278.pdf, ComponentLink1URL=https://datasheet.ciiva.com/914/s3ab-s3mbsmb-914278.pdf, ComponentLink2Description=https://datasheet.ciiva.com/914/s3ab-s3mbsmb-914279.pdf, ComponentLink2URL=https://datasheet.ciiva.com/914/s3ab-s3mbsmb-914279.pdf, ComponentLink3Description=https://datasheet.ciiva.com/914/s3ab-s3mbsmb-914280.pdf, ComponentLink3URL=https://datasheet.ciiva.com/914/s3ab-s3mbsmb-914280.pdf, ComponentLink4Description=https://datasheet.ciiva.com/15200/getdatasheetpartid-686538-15200554.pdf, ComponentLink4URL=https://datasheet.ciiva.com/15200/getdatasheetpartid-686538-15200554.pdf, ComponentLink5Description=https://datasheet.ciiva.com/17437/s3ab-s3mbsmb-17437836.pdf, ComponentLink5URL=https://datasheet.ciiva.com/17437/s3ab-s3mbsmb-17437836.pdf, Element Configuration=Single, Lead Free="Lead Free", Manufacturer Part Number=S3BB-TP, Mount="Surface Mount", Number of Pins=2, Packaging="Tape and Reel", Peak Non-Repetitive Surge Current=100A, Pricing 1="1=0.56, 10=0.441, 25=0.372, 100=0.3028, 250=0.2509, 500=0.2076, 1000=0.1557 (USD)", Radiation Hardening=No, Reverse Voltage (DC)=100V, Stock 1=10943, Supplier 1=Digi-Key
D14: "LED TRICOLOR RED GREEN BLUE", Manufacturer=Everlight, Supplier Part Number 1=1080-1552-2-ND, Manufacturer Part Number=EAST1616RGBB4, Stock 1=0, Supplier 1=Digi-Key
D15: library part 1SMA5913BT3G, "DIODE ZENER 3.3V 1.5W SMA", Breakdown Voltage=3.47V, Case/Package=SMA, Forward Voltage=1.5V, Manufacturer="ON Semiconductor", Max Operating Temperature=150°C, Max Power Dissipation=1.5W, Max Reverse Leakage Current=50uA, Min Operating Temperature=-65°C, Package Quantity=1, Power Dissipation=500mW, Supplier Part Number 1=1SMA5913BT3GOSCT-ND, Test Current=113.6mA, Tolerance=5%, Zener Current=455mA, ComponentLink1Description=https://datasheet.ciiva.com/8026/1sma5913bt3-d-8026917.pdf, ComponentLink1URL=https://datasheet.ciiva.com/8026/1sma5913bt3-d-8026917.pdf, ComponentLink2Description=https://datasheet.ciiva.com/8345/1sma5913bt3-d-8345864.pdf, ComponentLink2URL=https://datasheet.ciiva.com/8345/1sma5913bt3-d-8345864.pdf, ComponentLink3Description=https://datasheet.ciiva.com/8346/1sma5913bt3-d-8346488.pdf, ComponentLink3URL=https://datasheet.ciiva.com/8346/1sma5913bt3-d-8346488.pdf, ComponentLink4Description=https://datasheet.ciiva.com/895/1sma5913bt3-d-895306.pdf, ComponentLink4URL=https://datasheet.ciiva.com/895/1sma5913bt3-d-895306.pdf, ComponentLink5Description=https://datasheet.ciiva.com/15142/getdatasheetpartid-90498-15142554.pdf, ComponentLink5URL=https://datasheet.ciiva.com/15142/getdatasheetpartid-90498-15142554.pdf, ComponentLink6Description=https://datasheet.ciiva.com/895/1sma5913bt3-d-895307.pdf, ComponentLink6URL=https://datasheet.ciiva.com/895/1sma5913bt3-d-895307.pdf, ComponentLink7Description=https://datasheet.ciiva.com/4733/1sma5913bt3-d-4733195.pdf, ComponentLink7URL=https://datasheet.ciiva.com/4733/1sma5913bt3-d-4733195.pdf, ComponentLink8Description=https://datasheet.ciiva.com/895/1sma5913bt3-d-895308.pdf, ComponentLink8URL=https://datasheet.ciiva.com/895/1sma5913bt3-d-895308.pdf, ComponentLink9Description=https://datasheet.ciiva.com/16472/1sma5913bt3-d-16472764.pdf, ComponentLink9URL=https://datasheet.ciiva.com/16472/1sma5913bt3-d-16472764.pdf, ComponentLink10Description=https://datasheet.ciiva.com/49027/70339279-49027772.pdf, ComponentLink10URL=https://datasheet.ciiva.com/49027/70339279-49027772.pdf, ComponentLink11Description=https://datasheet.ciiva.com/8026/1sma5913bt3-d-8026989.pdf, ComponentLink11URL=https://datasheet.ciiva.com/8026/1sma5913bt3-d-8026989.pdf, ComponentLink12Description=https://datasheet.ciiva.com/8026/1sma5913bt3-d-8026990.pdf, ComponentLink12URL=https://datasheet.ciiva.com/8026/1sma5913bt3-d-8026990.pdf, ComponentLink13Description=https://datasheet.ciiva.com/26092/1sma5913bt3-d-26092398.pdf, ComponentLink13URL=https://datasheet.ciiva.com/26092/1sma5913bt3-d-26092398.pdf, Element Configuration=Single, Halogen Free="Halogen Free", Height=2.05mm, Impedance=10R, Lead Free="Lead Free", Length=4.57mm, Manufacturer Part Number=1SMA5913BT3G, Material=Plastic, Number of Pins=2, Packaging="Tape and Reel", Peak Reverse Current=50uA, Power Rating=1.5W, Pricing 1="1=0.38, 10=0.305, 100=0.2076, 500=0.1557, 1000=0.1168 (USD)", Radiation Hardening=No, REACH SVHC="No SVHC", Stock 1=12228, Supplier 1=Digi-Key, Voltage Rating (DC)=3.3V, Voltage Tolerance=5%, Width=2.92mm, Working Voltage=3.3V, Zener Voltage=3.3V